# Altium PCB Carte_Alim-light_alim.PcbDoc (part 2 of 3)
Units mm, origin at the board's own origin, x right, y up, seen from the top; angles counter-clockwise.
Board outline 100 x 84 mm, 4 copper layers (Top Copper, Ground Plane, Power Plane, Bottom Copper), stack 1.57 mm thick; 195 components, 108 nets, 529 pads, 246 vias.
Unrouted connection lines stored in the file: 5.
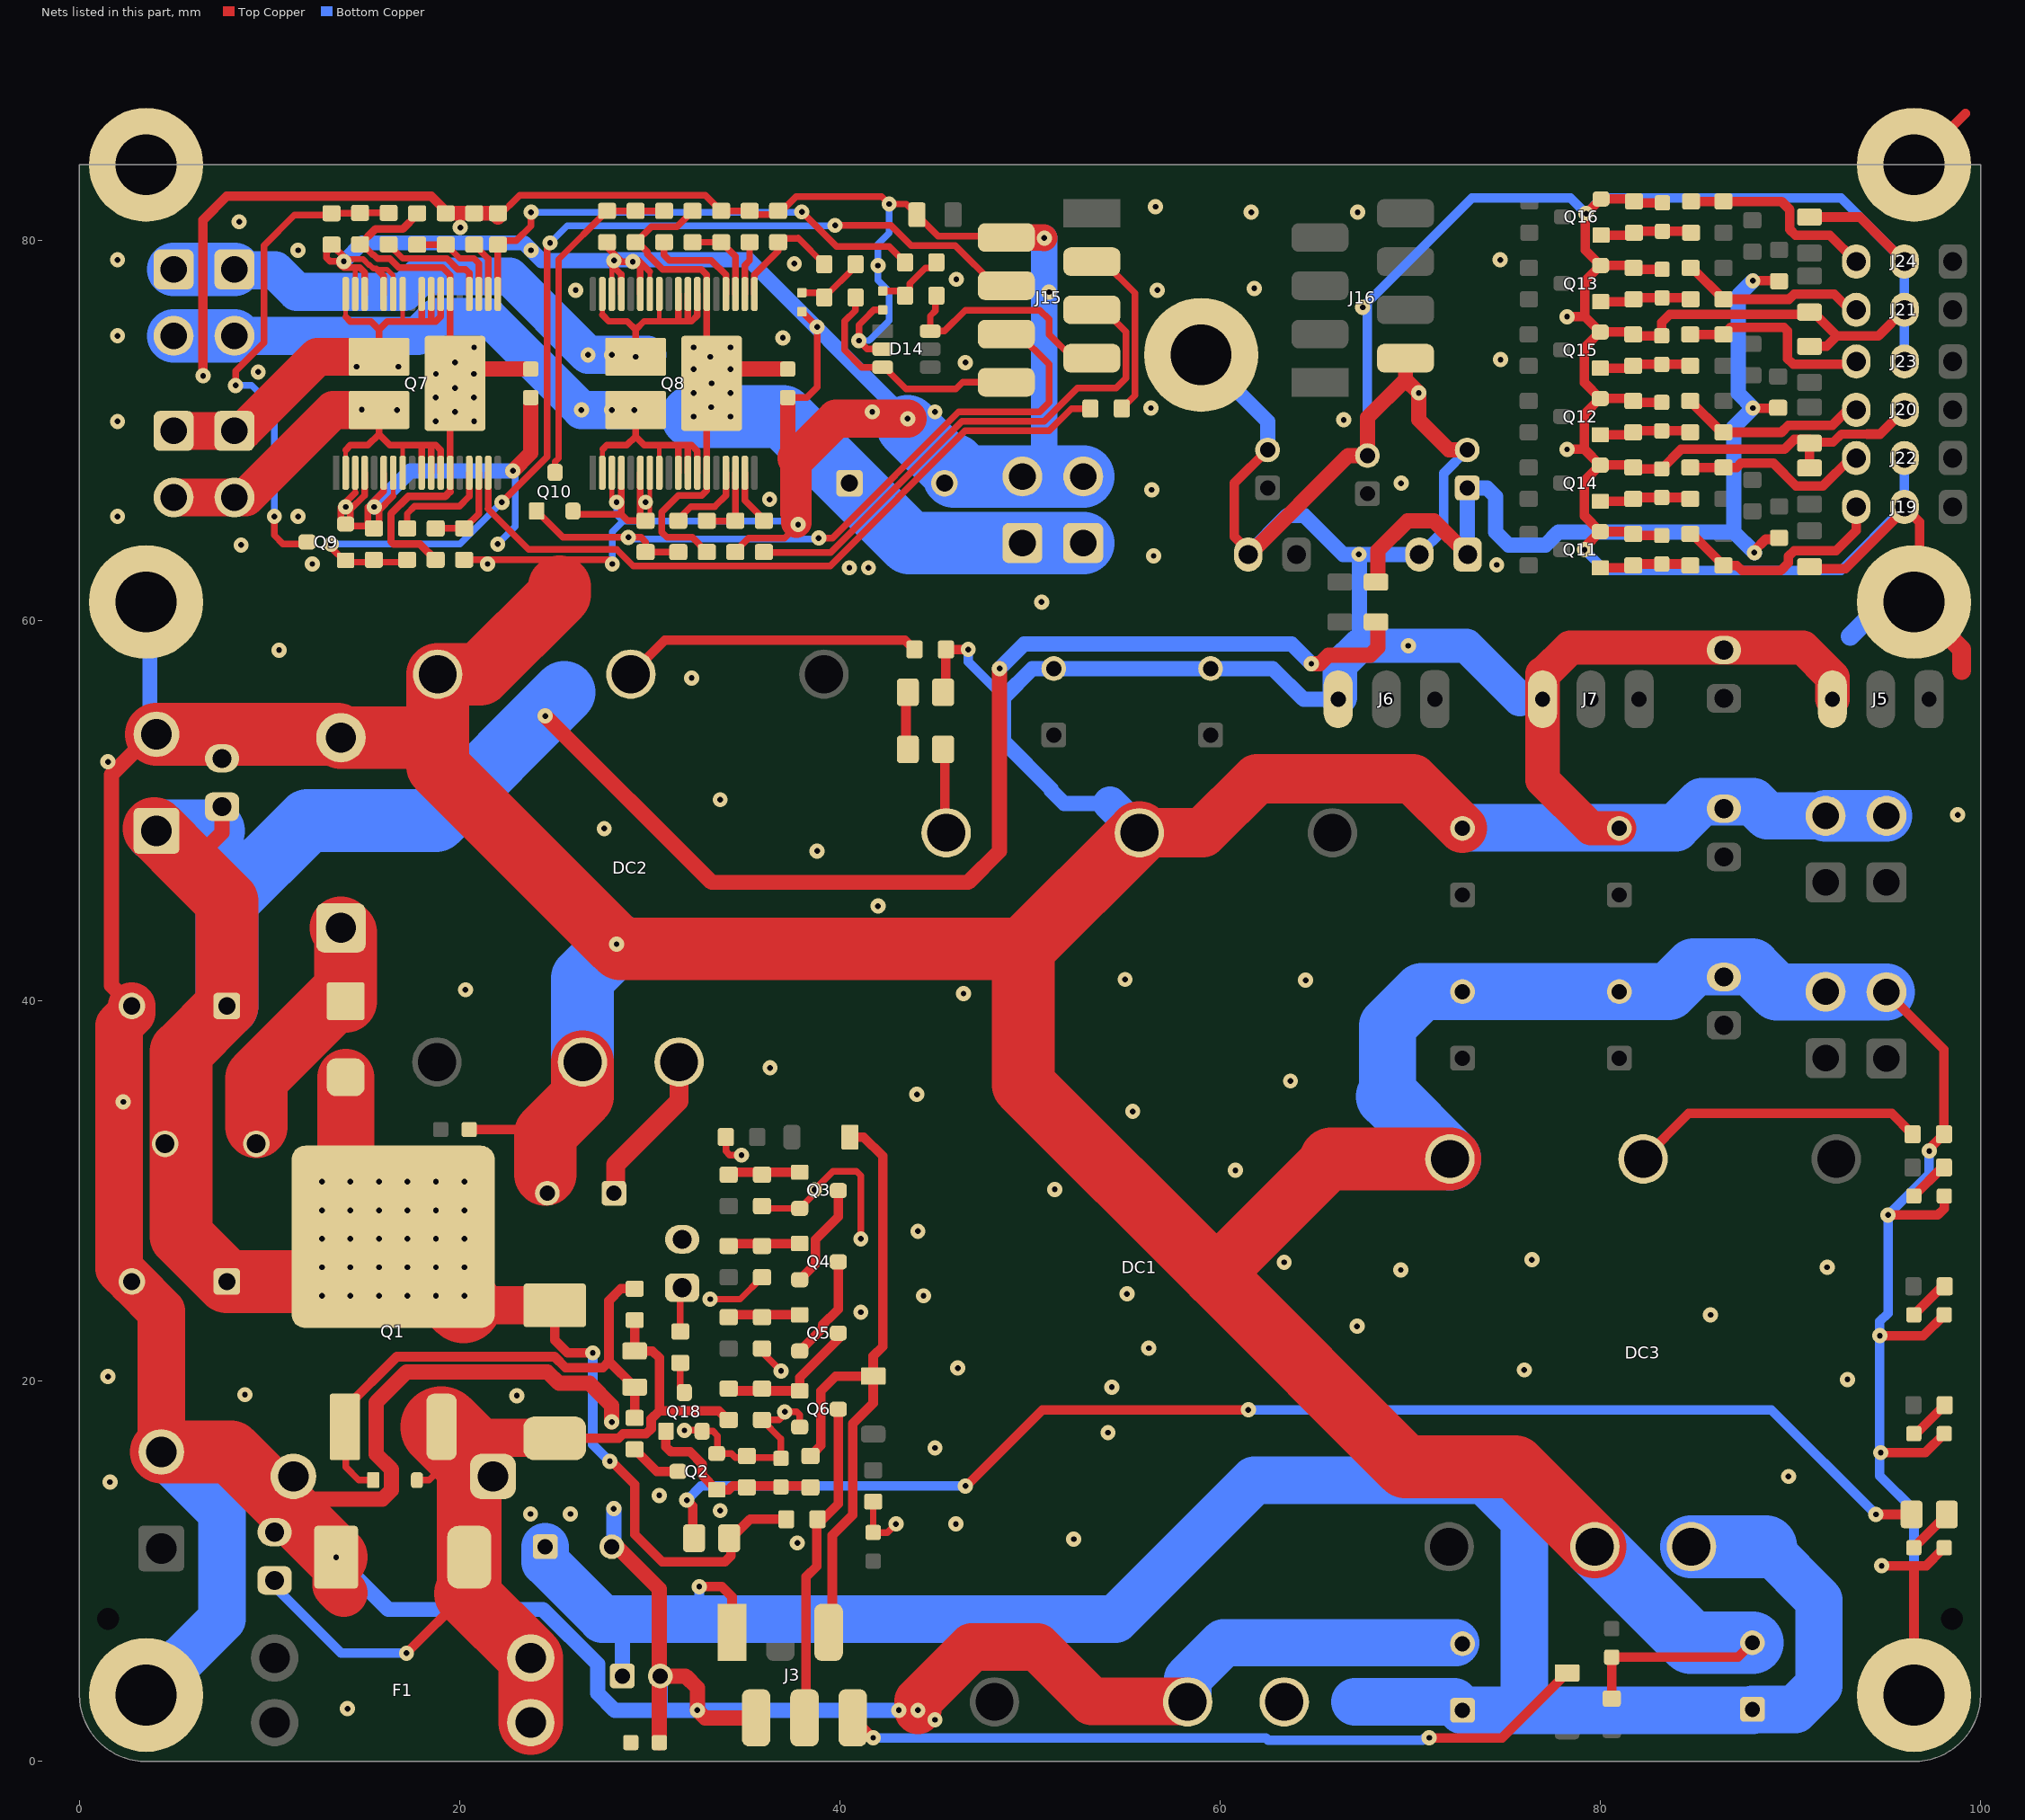
[diagram p4: the nets of this part, all layers, seen from the top]

## Via types
v1: diameter 0.8, hole 0.3, Top Copper to Bottom Copper, tented both sides, 246 vias

## Nets (pads, with @x,y where several pads share a name; then routed paths per layer and width w, separated by ;. In a path a pad name is that pad's centre, name@x,y a point inside that pad or via, vN(x,y) a via of type N, cw(c..) or ccw(c..) an arc to the next point about the centre after c; other vN are vias at no path point) (continued)
GND: C2.2 C3.2 C4.1 C5.2 C6.2 C7.2 C8.2 C9.2 C10.2 C11.1 C12.2 C13.2 C14.2 C15.1 C16.2 C17.2 C18.2 C19.1 C20.2 C21.1 C22.1 C23.1 C24.1 C25.1 C26.2 C27.2 C28.2 C29.1 C30.1 C31.1 C32.2 C33.2 C34.2 C35.1 C36.1 C37.1 C38.2 C39.2 C40.2 C49.1 D1.1 D3.1 D5.1 D7.1 D14.2 DC1.2 DC1.5 DC2.2 DC2.5 DC3.2 DC3.5 DT2.1 J1.2 J2.2 J3.2 J4.2 J5.3 J6.3 J7.3 J8.2 J9.2 J10.2 J11.2 J12.2 J15.2 J16.2 J17.2 J18.2 J19.2 J20.2 J21.2 J22.2 J23.2 J24.2 J31.2 J32.2 J33.2 J36.2 J37.2 J38.2 pad.0@3.5,3.5 pad.0@3.5,61 pad.0@3.5,84 pad.0@11.25,15 pad.0@59,74 pad.0@96.5,3.5 pad.0@96.5,61 pad.0@96.5,84 Q2.2 Q3.2 Q6.2 Q7.3 Q7.4 Q7.6 Q7.7 Q7.30 Q7.31 Q7.33 Q7.34 Q8.3 Q8.4 Q8.6 Q8.7 Q8.30 Q8.31 Q8.33 Q8.34 Q9.2 Q10.2 Q11.2 Q12.2 Q13.2 Q14.2 Q15.2 Q16.2 Q18.2 R5.2 R13.1 R14.1 R15.1 R16.1 R19.2 R20.1 R22.2 R23.1 R25.2 R26.1 R27.1 R28.1 R30.1 R32.1 R41.1 R42.1 R43.1 R44.1 R49.1 R50.1 R53.1 R54.1 R64.1 R65.1 R66.1 R76.1 R77.1 R78.1 | length 1079
  Top Copper w0.25: 14.5,66.75 Q7.3@14.5,67.8 ; Q7.34@14.5,77.2 14.5,78.596 ; 15.65,78.5 16.175,78.5 16.5,78.175 Q7.30@16.5,77.2 ; 16.5,66.578 Q7.7@16.5,67.8 ; v1@28,66.25 Q8.3@28,67.8 ; Q8.34@28,77.2 28,78.526 ; R54.1@30,65.501 Q8.7@30,67.8 ; Q8.30@30,77.2 30,78.376
  Top Copper w0.3: v1@14,79.059 14.12,79.059 14.139,79.04 14.917,79.04 15.217,78.74 15.264,78.74 15.463,78.541 15.609,78.541 15.65,78.5
  Top Copper w0.35: v1@13.9,78.596 14.5,78.596 14.744,78.596 15,78.34 Q7.33@15,77.2 ; v1(13.9,78.917) 13.183,78.917 13,79.1 13,79.4 13.259,79.659 R49.1@13.259,79.8 v1@14,79.059 ; 14.5,66.75 13.75,66 13.75,65.25 Q9.2@14,65 ; Q7.4@15,67.8 15,66.614 14.25,65.864 14.25,65.25 Q9.2@14,65 ; v1@15.175,66 15.175,65.181 R53.1@15.356,65 ; v1@15.375,66.2 16,66.825 Q7.6@16,67.754 ; 15.65,78.5 16,78.15 Q7.31@16,77.2 ; 16.5,66.578 15.75,65.828 15.75,65.138 R53.1@15.484,64.872 R53.1@15.356,65 ; R41.1@20.234,63.348 R41.1@20.234,63.222 21.466,63.222 25.25,63.222 27.895,63.222 28.117,63 v1(28.026,63) ; R30.1@22.009,81.25 23.159,82.4 32.925,82.4 R44.1@33.75,81.575 R28.1@35.25,81.575 35.45,81.375 36.75,81.375 37.704,82.329 42.196,82.329 v1(42.59,81.935) 43.483,81.935 C23.1@44.05,81.368 45.168,80.25 48.675,80.25 J15.2@48.75,80.175 ; Q10.2@25.953,65.782 26.121,65.613 28.5,65.613 ; R50.1@27.75,79.676 28.46,78.966 v1(28.117,78.966) ; v1@27.939,78.788 28.5,78.226 Q8.33@28.5,77.2 ; Q8.4@28.5,67.8 28.5,65.613 ; v1@28.5,78.9 v1(29.1,78.9) 29.167,78.966 29.41,78.966 29.5,78.876 ; R54.1@29.5,65.554 Q8.6@29.5,67.8 ; Q8.31@29.5,77.2 29.5,78.876 ; R54.1@29.776,65.277 28.835,65.277 28.5,65.613 ; 30,78.376 29.5,78.876 ; v1(31.817,17.425) Q18.2@32.707,17.425 ; Q18.2@32.752,17.38 33.315,17.38 33.557,17.138 33.557,16.243 33.598,16.202 34.298,16.202 34.5,16 35.1,16 C49.1@36.9,16 ; v1(33.175,24.325) 34.75,24.325 R15.1@35.9,25.475 ; R23.1@34,32.85 34,32.105 34.205,31.9 v1(34.825,31.9) ; R43.1@34.5,63.628 34.5,63.682 35.184,64.366 37.091,64.366 v1(37.8,65.075) v1@37.704,65.171 ; R16.1@35.9,21.725 35.9,21.55 v1(36.9,20.55) ; R14.1@36.028,29.098 Q3.2@37.884,29.098 38.65,29.864 v1(38.65,30.075) 39.625,31.05 40.875,31.05 41.1,30.825 v1(41.1,27.5) ; C49.1@36.9,15.95 C49.1@36.9,16 ; C22.1@37.25,71.75 38.256,71.75 38.8,72.294 v1(38.8,75.47) C25.1@38,76.27 ; Q6.2@37.884,17.597 37.884,18.241 37.729,18.396 37.104,18.396 v1(37.1,18.4) 37.1,18.28 36.795,17.975 R13.1@35.9,17.975 36.9,16.975 C49.1@36.9,16 ; v1(41,74.75) 41,75.575 41.3,75.875 41.79,76.365 C24.1@42.25,76.365 ; v1(41,74.75) 41.43,74.32 42.555,74.32 D14.2@42.575,74.3 ; R20.1@41.75,13.675 C11.1@41.75,12.05 42.5,12.05 v1(42.95,12.5) ; Q9.2@14,65 R53.1@15.356,65
  Top Copper w0.47: C30.1@91,69.55 91.15,69.4 92.25,69.4 92.682,69.832 94.05,69.832
  Top Copper w0.5: v1(6.5,72.9) 6.5,81.1 7.75,82.35 18.5,82.35 19.259,81.591 R42.1@19.259,81.45 ; C15.1@20.5,33.25 24.29,33.25 ; R19.2@45.575,56.3 R22.2@45.575,58.5 v1(46.75,58.5) ; J18.2@61.48,63.5 61.48,63.713 60.75,64.443 60.75,67.256 62.494,69 C26.2@62.5,69 ; v1(78.25,69.03) 79.169,69.03 ; v1(78.25,76.009) 79.189,76.009 ; v1@79.169,63.875 Q11.2@79.996,64.702 ; R26.1@80.6,3.315 C19.1@80.6,5.49 87.24,5.49 C16.2@88,6.25 ; C32.2@83.23,64.5 81.805,64.5 81.603,64.702 Q11.2@79.996,64.702 ; C33.2@83.23,71.5 81.805,71.5 81.602,71.702 Q12.2@79.996,71.702 ; C34.2@83.25,78.5 81.825,78.5 81.623,78.702 Q13.2@80.016,78.702 ; C40.2@83.27,82 81.845,82 81.642,82.202 Q16.2@80.036,82.202 79.209,81.375 79.209,79.51 Q13.2@80.016,78.702 ; C29.1@91,62.75 92.9,62.75 96,65.85 J19.2@96,66 96.8,65.2 pad.0@96.8,61.3 ; C35.1@91,68.05 91,69.55 90.195,69.55 89.674,69.03 84.251,69.03 83.23,68.008 C38.2@83.23,68 81.805,68 81.603,68.202 Q14.2@79.996,68.202 ; C37.1@91,81.25 93.66,81.25 J24.2@96,78.91 ; C36.1@91.2,74.65 C36.1@91,74.45 91.9,74.45 92.45,75 ; 94.05,69.832 94.722,69.832 J20.2@96,71.11 ; v1(94.7,22.4) 96.99,22.4 D5.1@98.09,23.5 ; v1(94.75,16.25) 97.09,16.25 D3.1@98.09,17.25 ; v1(94.8,10.3) 96.5,10.3 ; J32.2@95.05,40.48 98.075,37.455 R25.2@98.075,33 97.302,32.227 v1(97.302,32.122) ; v1(95.135,28.75) 97.75,28.75 98.09,29.09 D7.1@98.09,29.75 ; J21.2@96,76.37 94.63,75 92.45,75 ; pad.0@96.5,3.5 96.5,10.3 ; pad.0@96.5,84 99.2,86.7 ; D1.1@98.09,11.25 97.957,11.117 97.14,10.3 96.5,10.3 ; 79.169,69.03 79.169,70.875 Q12.2@79.996,71.702 ; 79.169,69.03 Q14.2@79.996,68.202 ; 79.189,76.009 79.189,77.875 Q13.2@80.016,78.702 ; 79.189,76.009 Q15.2@79.996,75.202 ; Q11.2@79.996,64.702 79.169,65.529 79.169,67.375 Q14.2@79.996,68.202 ; Q12.2@79.996,71.702 79.169,72.529 79.169,74.375 Q15.2@79.996,75.202 ; Q15.2@79.996,75.202 81.602,75.202 81.805,75 C39.2@83.23,75 83.23,75.7 83.653,76.123 90.873,76.123 C31.1@91,76.25 91.2,76.25 92.45,75
  Top Copper w0.8: C7.2@2.75,39.75 1.675,40.825 1.675,51.925 J2.2@3.75,54 ; 11.3,13.8 15.931,13.8 16.4,14.269 16.4,15.376 15.6,16.176 15.6,18.9 17.2,20.5 24.61,20.5 25.212,19.898 26.823,19.898 28,18.721 v1(28,17.864) ; v1@13.9,78.869 v1(13.9,78.917) ; R42.1@19.259,81.45 R27.1@20.759,81.45 21.809,81.45 R30.1@22.009,81.25 ; v1(22.8,67.9) 23.735,68.835 C21.1@23.735,71.75 ; C2.2@28,11.3 28.275,11.3 30.5,9.075 C4.1@30.5,1 ; C3.2@30.55,4.5 31.881,4.5 32.5,3.881 v1(32.5,2.7) 32.9,2.3 J3.2@35.595,2.3 ; 37.25,65.625 C22.1@37.25,71.75 ; J18.2@61.48,63.5 61.528,63.5 66.728,68.7 C28.2@67.75,68.7 67.75,70.701 69.75,72.701 ; J16.2@69.75,73.825 69.75,72.701 ; C27.2@73,69 72.03,69 70.451,70.579 v1(70.451,72) 69.75,72.701
  Top Copper w1: pad.0@96.5,61 99,58.5 99,57.4
  Top Copper w1.4: J15.2@48.75,80.175 50.72,80.175 v1(50.75,80.145)
  Top Copper w1.6: v1@37.704,65.171 37.704,68.562
  Top Copper w1.8: J7.3@76.96,57.24 J7.3@76.96,57.16 ; 80.322,58.6 80.313,58.609 78.409,58.609 J7.3@76.96,57.16 ; 80.463,58.6 90.66,58.6 92.21,57.05 J5.3@92.21,55.885 ; C13.2@81,49.09 79.5,49.09 76.96,51.63 J7.3@76.96,55.885 J7.3@76.96,57.16
  Top Copper w2: 37.704,68.562 39.784,70.642 v1(43.56,70.642)
  Top Copper w2.5: C7.2@2.75,39.75 2.75,39.384 2.073,38.707 2.073,34.7 2.073,25.927 C6.2@2.75,25.25 4.3,23.7 J1.2@4.3,16.29 ; v1(13.5,10.75) 13.5,9.26 13.9,8.86 ; v1(44.1,2.7) 44.1,3.183 46.937,6.02 50.383,6.02 53.244,3.159 58.271,3.159 DC1.2@58.29,3.14
  Top Copper w2.6: DC1.5@55.75,48.86 59.081,48.86 61.931,51.71 70.13,51.71 C14.2@72.75,49.09
  Top Copper w3: 59.695,25.555 65.84,31.7
  Top Copper w3.3: J2.2@4.05,54.04 7.5,54.04 C5.2@13.57,54.04 ; J1.2@4.3,16.29 7.96,16.29 10.25,14 11.222,13.027 v1(13.5,10.75) ; C5.2@13.75,53.86 18.66,53.86 ; 24.5,30.9 24.5,33.04 26.46,35 DC2.2@26.46,36.8 ; 25.25,61.806 25.25,61.388 21.062,57.2 DC2.5@18.84,57.2 18.84,52.36 v1@28.225,42.975 ; v1@28.45,42.75 49.64,42.75 ; DC1.5@55.75,48.86 49.64,42.75 ; 65.84,31.7 DC3.5@72.09,31.7 ; DC3.2@79.71,11.3 75.51,15.5 69.75,15.5 59.695,25.555 49.64,35.61 49.64,42.75
  Bottom Copper w0.35: v1(22,64.047) 22.919,64.967 22.919,67.781 v1(22.8,67.9) ; v1(28.026,63) 28.026,64.683 28.594,65.25 ; v1(28.25,66.25) 28.25,65.594 28.594,65.25 ; v1@37.625,65.25 28.594,65.25 ; v1(41,74.75) 41.532,74.75 41.595,74.812 42.59,75.808 42.59,77.34 42,77.93 v1(42,78.7) 42,79.813 42.59,80.403 v1(42.59,81.935)
  Bottom Copper w0.5: v1(46.75,58.5) 46.75,57.858 48.616,55.991 ; C28.2@67.75,68.7 67.75,76.75 73.25,82.25 78.434,82.25 v1(79.25,81.434) 80.066,82.25 92.66,82.25 J24.2@96,78.91 J21.2@96,76.37 J23.2@96,73.65 ; J17.2@70.48,63.5 71.77,64.79 71.77,67.776 72.994,69 C27.2@73,69 ; v1(79.169,63.75) 80.269,62.65 92.65,62.65 J19.2@96,66 J22.2@96,68.57 ; pad.0@96.5,3.5 96.5,13.235 94.7,15.035 v1(94.7,22.4) 94.7,23.15 95.135,23.585 v1(95.135,28.75) 97.302,30.917 v1(97.302,32.122)
  Bottom Copper w0.8: pad.0@3.5,61 3.7,60.8 3.7,54.39 J2.2@4.05,54.04 ; v1(13.5,10.75) 16.25,8 24.375,8 27.25,5.125 27.25,3.596 28.146,2.7 30.55,2.7 ; v1(13.9,78.917) 14.874,79.891 23.386,79.891 24.313,78.964 28.115,78.964 v1(28.117,78.966) ; v1(15.5,66) 17.4,67.9 v1(22.8,67.9) ; C2.2@28,11.3 28.1,11.4 v1(28.1,13.3) ; v1@28.1,79 35.202,79 v1(43.56,70.642) ; C3.2@30.75,4.5 30.55,4.3 30.55,2.7 ; v1(44.1,2.7) v1(43.1,2.7) v1(32.5,2.7) 30.55,2.7 ; 54.21,50.4 51.804,50.4 51.12,51.084 51.12,51.16 48.616,53.664 48.616,55.991 50.125,57.5 C10.2@51.25,57.5 C9.2@59.5,57.5 62.77,57.5 64.385,55.885 J6.3@66.21,55.885 ; pad.0@59,74 62.5,70.5 C26.2@62.5,69 ; J18.2@61.48,63.5 63.534,65.554 64.429,65.554 66.483,63.5 67.327,63.5 J17.2@70.48,63.5 ; 67.327,58.7 v1@67.327,63.423
  Bottom Copper w1: J4.2@85.63,58.47 87.101,58.47 87.531,58.9 ; 93.147,59.2 94.947,61 pad.0@96.5,61
  Bottom Copper w1.4: 50.75,69.15 v1(50.75,80.145)
  Bottom Copper w1.6: 75.775,55.885 J7.3@76.96,55.885
  Bottom Copper w1.8: 54.21,50.4 DC1.5@55.75,48.86 ; J6.3@66.21,55.885 66.301,55.976 66.301,57.673 67.327,58.7 v1(69.9,58.7) 72.96,58.7 75.775,55.885
  Bottom Copper w2.5: pad.0@3.5,3.5 7.5,7.5 7.5,13.09 J1.2@4.3,16.29 ; DC1.2@58.29,3.14 58.29,4.363 60.177,6.25 C8.2@72.4,6.25 ; C14.2@72.86,49.127 83.968,49.127 85.341,50.5 88.034,50.5 88.784,49.75 J8.2@91.85,49.75
  Bottom Copper w2.7: J8.2@91.85,49.75 J31.2@95.05,49.75
  Bottom Copper w3: 68.8,34.99 68.8,38.7 70.6,40.5 C17.2@72.75,40.5 C18.2@81,40.5 83.6,40.5 84.9,41.8 87.97,41.8 89.29,40.48 J32.2@95.05,40.48
  Bottom Copper w3.3: DC2.2@26.46,36.8 26.46,41.21 v1(28.25,43) ; v1@43.56,70.242 46,67.802 ; C20.2@46,67.6 J12.2@49.6,67.6 J33.2@52.8,67.6 ; 46,68 46,68.202 ; 68.8,34.99 DC3.5@72.09,31.7 ; DC3.2@79.71,11.3 84.76,6.25 C16.2@88,6.25
  other v1: 45,2.2 14.1,2.781 37.759,11.5 52.3,11.7 46.1,12.5 33.7,13.2 30.5,14 1.6,14.7 89.9,15 45,16.5 54.1,17.3 8.7,19.3 54.3,19.7 93,20.1 1.5,20.25 76,20.6 46.2,20.7 56.25,21.75 67.2,22.9 85.8,23.5 41.1,23.639 44.4,24.5 55.1,24.6 69.5,25.86 91.93,26 63.37,26.266 76.4,26.4 44.1,27.9 51.3,30.1 60.8,31.1 55.4,34.2 2.3,34.7 44.05,35.1 63.7,35.8 36.325,36.495 46.5,40.4 20.3,40.6 64.5,41.1 55,41.145 42,45 38.8,47.9 27.6,49.085 98.8,49.8 33.7,50.6 1.5,52.59 32.2,57 10.5,58.47 50.605,61 40.5,62.8 41.5,62.8 74.55,62.95 12.25,63 21.466,63 56.5,63.427 67.3,63.507 8.5,64 2,65.5 11.5,65.5 14,66 29.776,66.25 36.3,66.4 56.4,66.9 69.519,67.245 2,70.5 66.5,70.579 41.7,71 45,71 56.359,71.2 9.4,73.1 46.6,73.6 74.75,73.75 37,74.9 2,75 67.5,76.5 51,77.3 26.1,77.4 56.7,77.4 61.8,77.5 46.125,77.975 37.6,78.8 2,79 74.734,79 11.5,79.5 23.75,79.5 20.03,80.7 8.401,81 61.641,81.5 67.234,81.5 56.6,81.791
LED_AU: J3.4 Q6.3 R9.1 | length 17.4
  Top Copper w0.5: J3.4@38.135,2 J3.4@38.135,2.3 38.225,2.39 38.225,9.725 38.778,10.278 R9.1@38.778,12.703 ; R9.1@38.825,12.75 39.107,12.75 39.916,13.559 Q6.3@39.916,18.537
LED_NUCLEO: 
MOT1_CS: D14.6 J15.7 R46.2 | length 12.5
  Top Copper w0.35: R46.2@45.075,77.115 45.02,77.06 45.02,76.32 44.75,76.05 D14.6@44.75,75.25 45.5,75.25 46.598,76.348 50.517,76.348 51,75.865 51,75.075 52.25,73.825 J15.7@53.25,73.825
MOT1_CS_RAW: Q7.19 R30.2 R45.1 | length 26.4
  Top Copper w0.35: Q7.19@22,77.2 22,80 22.009,80 22.975,80 23.75,80.775 v1(23.75,81.5) ; v1(38,81.52) 39.82,79.7 42.59,79.7 R45.1@43.425,78.865
  Bottom Copper w0.35: v1(23.75,81.5) v1@38,81.5
MOT1_DIR: J15.4 Q9.1 R33.1 R53.2 | length 54.4
  Top Copper w0.35: v1(13.234,64.047) 13.234,63.861 14,63.095 R33.1@17.234,63.095 ; v1(22.217,66.248) 24.6,68.631 24.6,79.741 v1(24.75,79.891) ; v1(39.75,80.813) 42.68,80.813 43.743,79.75 46.067,79.75 48.162,77.655 J15.4@48.416,77.655
  Bottom Copper w0.35: v1(13.234,64.047) 20.017,64.047 v1(22.217,66.248) ; v1(24.75,79.891) 25.652,80.793 v1@39.75,80.793
MOT1_DIR_INV: Q9.3 R35.1 R47.1 R49.2 | length 26.3
  Top Copper w0.35: v1(8.208,72.392) 8.208,73.146 9.7,74.638 9.7,79.748 11.302,81.35 R49.2@13.259,81.35 ; v1(10.25,65.5) 10.25,64.513 10.703,64.06 Q9.3@11.968,64.06 ; R49.2@13.259,81.45 14.744,81.45 R47.1@14.759,81.465 R35.1@16.259,81.465
  Bottom Copper w0.35: v1(8.208,72.392) 9.058,72.392 10.25,71.2 v1(10.25,65.5)
MOT1_N: J13.2 J34.2 Q7.2 Q7.8 Q7.10 Q7.11 Q7.12 Q7.38 | length 26.4
  Top Copper w0.25: Q7.2@14,67.8 14,69 ; Q7.8@17,67.8 17,69.25
  Top Copper w0.35: 14,69 14.25,69.25 15.175,69.25 15.75,69.825 ; Q7.38@15.75,71.1 15.75,69.825 ; Q7.10@18,67.8 18,69.25 ; Q7.11@18.5,67.8 18.5,69.25 ; Q7.12@18.998,67.8 18.998,68.008 19,68.01 19,69 18.75,69.25 18.5,69.25 ; 15.75,69.825 16.325,69.25 17,69.25 18.5,69.25
  Top Copper w2: J34.2@4.95,66.5 J13.2@8.15,66.5 8.75,66.5 13.35,71.1 Q7.38@15.75,71.1
  other v1: 16.701,71.1 14.85,71.125
MOT1_P: J13.1 J34.1 Q7.25 Q7.26 Q7.27 Q7.29 Q7.35 Q7.39 | length 26.1
  Top Copper w0.25: 14,76 Q7.35@14,77.2 ; 17,75.75 Q7.29@17,77.2
  Top Copper w0.35: 14,76 14.25,75.75 15.325,75.75 15.75,75.325 ; Q7.39@15.75,73.9 15.75,75.325 ; 18,75.75 Q7.27@18,77.2 ; Q7.26@18.5,77.2 18.5,75.75 ; Q7.25@19,77.2 19,76.016 18.734,75.75 18.5,75.75 ; 15.75,75.325 16.175,75.75 17,75.75 18.5,75.75
  Top Copper w2: J34.1@4.95,70 J13.1@8.15,70 8.615,70 12.515,73.9 Q7.39@15.75,73.9
  other v1: 14.571,73.379 16.775,73.375
MOT1_PWM: J15.3 R29.1 | length 9.3
  Top Copper w0.35: J15.3@53.25,78.905 53.865,78.905 55.529,77.241 55.529,71.879 R29.1@54.825,71.175
MOT2_CS: D14.3 J15.8 R52.2 | length 12.7
  Top Copper w0.35: R52.2@40.825,77.02 40.825,76.348 40.25,75.773 40.25,74.25 41.15,73.35 42.575,73.35 42.575,73.1 43.475,72.2 46.1,72.2 46.455,72.555 J15.8@48.75,72.555
MOT2_CS_RAW: Q8.19 R32.2 R51.1 | length 6.4
  Top Copper w0.35: Q8.19@35.5,77.2 35.5,78.216 36.75,79.466 36.75,80.125 37.8,80.125 ; 37.8,80.145 R51.1@39.175,78.77
MOT2_DIR: J15.6 Q10.1 R34.1 R54.2 | length 39.1
  Top Copper w0.35: Q10.1@24.048,65.782 25.429,64.4 v1(28.874,64.4) 29.532,64.4 29.776,64.155 R54.2@29.776,63.628 R34.1@31.5,63.628 ; v1(38.884,64.366) 39.607,64.366 46.24,71 50.5,71 51,71.5 51,73.5 49.405,75.095 J15.6@48.75,75.095
  Bottom Copper w0.35: v1(28.874,64.4) 28.944,64.4 29.042,64.302 39.096,64.302 39.032,64.366 v1(38.884,64.366)
MOT2_DIR_INV: Q10.3 R36.1 R48.1 R50.2 | length 17.9
  Top Copper w0.35: Q10.3@25.013,67.814 25.013,68.369 25.2,68.556 25.2,79.025 R50.2@27.75,81.575 R36.1@30.75,81.575
MOT2_N: J14.2 J35.2 Q8.2 Q8.8 Q8.10 Q8.11 Q8.12 Q8.38 | length 40.4
  Top Copper w0.25: Q8.2@27.5,67.8 27.5,69.02 ; Q8.8@30.5,67.8 30.5,69.25
  Top Copper w0.35: 27.523,69.043 27.73,69.25 28.792,69.25 29.25,69.708 ; Q8.38@29.25,71.1 29.25,69.708 ; Q8.10@31.5,67.8 31.5,69.25 ; Q8.11@32,67.8 32,69.25 ; Q8.12@32.5,67.8 32.5,68.948 32.198,69.25 31.5,69.25 ; 29.25,69.708 29.708,69.25 31.5,69.25
  Bottom Copper w2: J14.2@8.15,75 17.8,75 18.8,76 21.5,76 v1(26.4,71.1) v1(28,71.1) v1(29.181,71.1)
  Bottom Copper w2.8: J35.2@4.95,75 J14.2@8.15,75
MOT2_P: J14.1 J35.1 Q8.25 Q8.26 Q8.27 Q8.29 Q8.35 Q8.39 | length 41
  Top Copper w0.25: 27.5,76.112 Q8.35@27.5,77.2 ; 30.5,75.766 Q8.29@30.5,77.2
  Top Copper w0.35: 27.5,76.112 27.846,75.766 28.809,75.766 29.25,75.325 ; v1(29.25,73.9) 29.25,75.325 ; Q8.27@31.5,77.2 31.5,75.766 ; Q8.26@32,77.2 32,75.766 ; Q8.25@32.5,77.2 32.5,76.066 32.2,75.766 32,75.766 ; 29.25,75.325 29.691,75.766 30.5,75.766 31.5,75.766 ; 31.5,75.766 32,75.766
  Bottom Copper w2: J14.1@8.15,78.5 8.2,78.45 10.287,78.45 11.42,77.317 17.109,77.317 17.919,78.127 22.623,78.127 v1(26.75,74) v1(28,74) 29.877,74
  Bottom Copper w2.8: J35.1@4.95,78.5 J14.1@8.15,78.5
MOT2_PWM: J15.5 R31.1 | length 27.6
  Top Copper w0.35: R31.1@36,63.627 36.027,63.6 39.516,63.6 46.415,70.5 50.75,70.5 52.5,72.25 54.525,72.25 55.052,72.777 55.052,75.214 53.901,76.365 J15.5@53.25,76.365
NetC1_1: C1.1 Q1.1 R1.1 R4.1 Z1.1 | length 28.6
  Top Copper w0.35: Q1.1@14.007,17.653 14.007,15.493 14.7,14.8 Z1.1@15.45,14.8
  Top Copper w0.5: Q1.1@14.007,17.653 13.96,17.7 13.96,18.57 16.69,21.3 24.988,21.3 25.565,20.723 27.522,20.723 27.849,21.051 ; R4.1@29.2,18.075 C1.1@29.2,19.7 27.849,21.051 ; R1.1@29.2,24.875 28.475,24.875 27.849,24.249 27.849,21.051
NetC5_1: C5.1 D12.1 R2.2 | length 12.9
  Top Copper w3.3: 9.3,33.4 9.3,35.935 13.365,40 D12.1@14,40 14,43.61 C5.1@13.75,43.86
NetC24_2: C24.2 R45.2 R46.1 | length 3.6
  Top Copper w0.35: C24.2@42.25,77.365 R46.1@43.175,77.365 ; R46.1@43.425,77.115 43.675,77.365 43.675,77.75 44.49,78.565 44.825,78.565 45.075,78.815 R45.2@45.075,78.865
NetC25_2: C25.2 R51.2 R52.1 | length 3.3
  Top Copper w0.35: C25.2@38,77.27 R52.1@38.925,77.27 ; R52.1@39.175,77.02 R51.2@40.825,78.67
NetC32_1: C32.1 Q11.1 R61.2 R64.2 | length 4.8
  Top Copper w0.5: Q11.1@79.996,62.797 81.603,62.797 R64.2@81.73,62.925 81.805,63 C32.1@83.23,63 84.655,63 R61.2@84.73,62.925
NetC33_1: C33.1 Q12.1 R62.2 R65.2 | length 4.7
  Top Copper w0.5: Q12.1@79.996,69.797 81.602,69.797 R65.2@81.73,69.925 81.805,70 C33.1@83.23,70 R62.2@84.655,70
NetC34_1: C34.1 Q13.1 R63.2 R66.2 | length 4.8
  Top Copper w0.5: Q13.1@80.016,76.797 81.623,76.797 R66.2@81.75,76.925 81.825,77 C34.1@83.25,77 84.675,77 R63.2@84.75,76.925
NetC38_1: C38.1 Q14.1 R73.2 R76.2 | length 4.7
  Top Copper w0.5: Q14.1@79.996,66.297 81.603,66.297 R76.2@81.73,66.425 81.805,66.5 C38.1@83.23,66.5 R73.2@84.655,66.5
NetC39_1: C39.1 Q15.1 R74.2 R77.2 | length 4.7
  Top Copper w0.5: Q15.1@79.996,73.297 81.602,73.297 R77.2@81.73,73.425 81.805,73.5 C39.1@83.23,73.5 R74.2@84.655,73.5
NetC40_1: C40.1 Q16.1 R75.2 R78.2 | length 4.7
  Top Copper w0.5: Q16.1@80.036,80.297 81.642,80.297 R78.2@81.77,80.425 81.845,80.5 C40.1@83.27,80.5 R75.2@84.695,80.5
NetC44_1: 
NetC45_1: 
NetC46_1: 
NetC48_1: 
NetD1_2: D1.2 R7.1 | length 2.5
  Top Copper w0.5: D1.2@96.49,11.25 98.225,12.985 R7.1@98.225,13
NetD3_2: D3.2 R17.1 | length 2.2
  Top Copper w0.5: D3.2@96.49,17.25 96.615,17.25 R17.1@98.115,18.75
NetD5_2: D5.2 R21.2 | length 2.2
  Top Copper w0.5: D5.2@96.49,23.5 97.99,25 R21.2@98.115,25
NetD7_2: D7.2 R24.2 | length 2.2
  Top Copper w0.5: D7.2@96.49,29.75 97.99,31.25 R24.2@98.075,31.25
NetD11_2: 
NetDC1_6: DC1.6 R18.1 | length 4.3
  Top Copper w0.5: DC1.6@45.525,48.925 R18.1@45.525,53.25
NetDC2_4: DC2.4 R22.1 | length 15.9
  Top Copper w0.5: DC2.4@29,57.2 30.8,59 43.425,59 R22.1@43.925,58.5
NetDC3_4: DC3.4 R25.1 | length 15.6
  Top Copper w0.5: DC3.4@82.25,31.7 84.65,34.1 95.325,34.1 R25.1@96.425,33
NetJ19_3: J19.3 R58.1 R61.1 | length 11.7
  Top Copper w0.5: R61.1@84.83,64.575 R58.1@86.48,62.925 87.175,62.925 87.45,62.65 89.5,62.65 89.9,63.05 89.9,63.4 90.2,63.7 92.4,63.7 93.46,64.76 J19.3@93.46,66